# KiCad board Tiling_Flex_V1.kicad_pcb (continued)
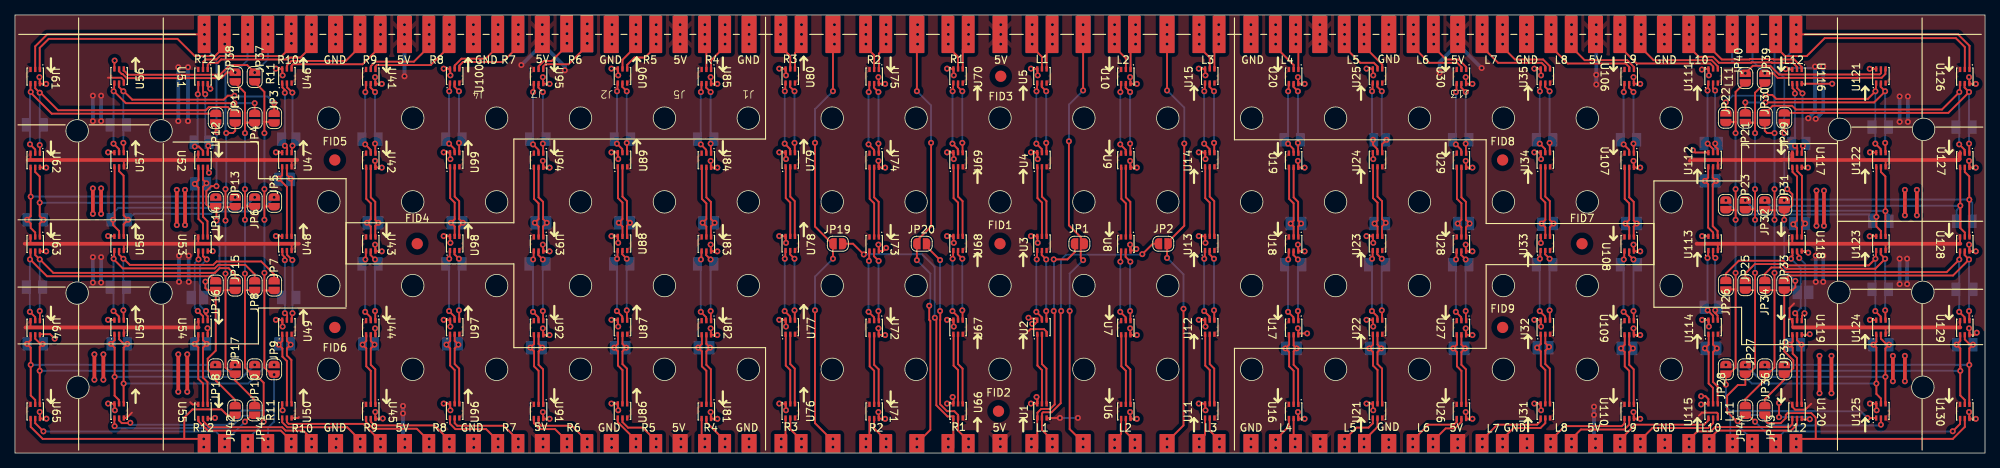
[diagram p0: board, top side]
## Routing (per net, layer and track width the routed paths; a pad name or vN(x,y) marks a point on that pad's centre or on a via; arc(x,y) is an arc through that point) (continued)
  Top w0.25: 237.93,27 237.93,26.66 238.2,26.39 v1(238.2,26.08) ; v1(238.9,18.7) 238.56,18.36 238.56,17.69
  Bottom w0.25: v1(238.9,18.7) 239,18.8 239,25.28 v1(238.2,26.08)
Net-(J127-Pin_1): length 10
  Top w0.25: U55.2 25.1,9.3 24.47,9.93 24.47,14.13 v1(24,14.6) 24.47,15.07 U54.4
Net-(J128-Pin_1): length 10
  Top w0.25: 25.7,6.5 25.7,9.5 25.1,10.1 25.1,14.1 v1(25.6,14.6) 25.1,15.1 U54.5
Net-(J129-Pin_1): length 9.9
  Top w0.25: 237.3,15.8 237.32,15.78 237.32,14.9 v1(236.92,14.5) 237.32,14.1 237.32,13.3 237.9,12.72 U120.2
Net-(J130-Pin_1): length 9.7
  Top w0.25: 237.9,16 237.9,15.1 v1(238.5,14.5) 238.5,6.5
Net-(J131-Pin_1): length 29.3
  Top w0.25: 13.3,15.9 13.3,15.1 v1(12.8,14.6) 13.3,14.1 13.3,7.67 13.86,7.11 13.86,6.62 U60.5
  Bottom w0.25: v1(13.3,10.2) 30.4,10.2 v1(32,11.8)
Net-(J132-Pin_1): length 31.2
  Top w0.25: 14.5,6.8 14.5,14.1 v1(15,14.6) 14.5,14.63 13.9,15.23 U59.2
  Bottom w0.25: v1(14.5,9.3) 31.12,9.3 33.62,11.8 v1(34.6,11.8)
Net-(J133-Pin_1): length 31
  Top w0.25: U125.5 249.1,7.3 248.5,7.9 248.5,14.1 v1(248.1,14.5) 248.5,14.9 248.5,15.9
  Bottom w0.25: v1(228.4,11.8) 229.38,11.8 231.88,9.3 v1(248.5,9.3)
Net-(J134-Pin_1): length 29.7
  Top w0.25: 249.7,10.4 249.7,14 v1(250.2,14.5) 249.9,14.5 249.1,15.3 249.1,15.92 ; 249.7,10.4 249.7,6.6 ; 249.7,10.4 v1(249.7,10.2)
  Bottom w0.25: v1(249.7,10.2) 232.6,10.2 v1(231,11.8)
Net-(J135-Pin_1): length 30.5
  Top w0.25: 13.87,17.8 13.87,18.27 13.15,18.99 v1(13.15,18.99) ; 13.21,25.89 14.4,24.7 26.66,24.7 27.14,25.18 30.74,25.18 32,23.91 32,23 ; 13.17,26.09 13.24,26.16 13.24,27.11
  Bottom w0.25: v1(13.17,25.99) 13.15,25.97 v1(13.15,18.99)
Net-(J136-Pin_1): length 31.8
  Top w0.25: 14.5,26 15.33,25.18 26.47,25.18 26.92,25.62 32.88,25.62 34.6,23.9 34.6,23 ; v1(14.47,19.09) 14.5,19.06 14.5,17.8 ; 13.87,27.11 13.87,26.59 v1(14.47,25.99)
  Bottom w0.25: v1(14.47,25.99) v1(14.47,19.09)
Net-(J137-Pin_1): length 31.8
  Top w0.25: 248.37,26.09 248.44,26.16 248.44,27.11 ; v1(248.35,18.99) 248.35,18.99 249.07,18.27 249.07,17.8 ; v1(248.37,25.99) 247.48,25.1 236.7,25.1 236.07,25.72 230.12,25.72 228.4,24 JP26.1
  Bottom w0.25: v1(248.35,18.99) 248.35,25.97 v1(248.37,25.99)
Net-(J138-Pin_1): length 30.5
  Top w0.25: 249.7,17.8 249.7,19.06 v1(249.67,19.09) ; JP25.1 231,24.01 232.26,25.28 235.86,25.28 236.49,24.65 248.35,24.65 249.67,25.97 v1(249.67,25.99) 249.07,26.59 249.07,27.11
  Bottom w0.25: v1(249.67,25.99) v1(249.67,19.09)
Net-(J139-Pin_1): length 30.4
  Top w0.25: 13.3,38.3 13.3,31.4 v1(13.1,31.2) 13.1,30.5 13.9,29.7 U58.5
  Bottom w0.25: v1(32,34.2) 30.6,32.8 13.8,32.8 13.1,32.1 v1(13.1,31.2)
Net-(J140-Pin_1): length 30.8
  Top w0.25: 14.5,29 14.5,30.6 v1(15.1,31.2) 14.5,31.8 14.5,37.1 13.9,37.7 13.9,38.32
  Bottom w0.25: v1(34.6,34.2) 32.72,32.33 26.5,32.33 26.17,32 15.9,32 v1(15.1,31.2)
Net-(J141-Pin_1): length 30.6
  Top w0.25: 248.5,38.3 248.5,30.3 249.1,29.7 U123.5
  Bottom w0.25: v1(228.4,33.8) 230.27,31.93 248.18,31.93 v1(248.5,31.6)
Net-(J142-Pin_1): length 30.4
  Top w0.25: 249.1,38.32 249.1,37.6 249.7,37 249.7,29
  Bottom w0.25: v1(231,33.8) 232.4,32.4 249.65,32.4 v1(249.7,32.35) ; 249.7,32.3 250.2,31.8 J142.1
Net-(J143-Pin_1): length 30.3
  Top w0.25: 13.15,41.39 13.87,40.67 13.87,40.2 ; 32,45.4 v1(32,46.8) ; 13.17,48.49 13.24,48.56 13.24,49.51 ; 13.3,48.3 14.8,46.8 v1(29.3,46.8)
  Bottom w0.25: v1(13.17,48.39) 13.15,48.37 v1(13.15,41.39) ; v1(32,46.8) v1(29.3,46.8)
Net-(J144-Pin_1): length 32
  Top w0.25: v1(29.3,47.8) 28.4,47.8 27.87,47.27 15.65,47.27 14.63,48.29 ; 13.87,49.51 13.87,48.99 v1(14.47,48.39) ; 34.6,45.4 v1(34.6,46.8) ; 14.5,40.2 14.5,41.46 v1(14.47,41.49)
  Bottom w0.25: v1(34.6,46.8) 33.7,47.7 29.4,47.7 v1(29.3,47.8) ; v1(14.47,48.39) v1(14.47,41.49)
Net-(J145-Pin_1): length 32
  Top w0.25: v1(233.7,47.9) 234.6,47.9 235.13,47.37 247.35,47.37 v1(248.37,48.39) ; JP22.1 v1(228.4,46.9) ; 249.07,40.2 249.07,40.67 248.35,41.39 v1(248.35,41.39) ; 248.44,49.51 248.44,48.56 248.37,48.49
  Bottom w0.25: v1(248.35,41.39) 248.35,48.37 v1(248.37,48.39) ; v1(233.7,47.9) 233.6,47.8 229.3,47.8 v1(228.4,46.9)
Net-(J146-Pin_1): length 30.3
  Top w0.25: 249.7,40.2 249.7,41.46 v1(249.67,41.49) ; v1(233.7,46.9) 248.2,46.9 249.7,48.4 ; v1(249.67,48.39) 249.07,48.99 249.07,49.51 ; JP21.1 v1(231,46.9)
  Bottom w0.25: v1(231,46.9) v1(233.7,46.9) ; v1(249.67,48.39) v1(249.67,41.49)
Net-(J147-Pin_1): length 34.6
  Top w0.25: 2.1,15.8 2.1,15.1 v1(1.6,14.6) 2.1,14.1 2.1,7.7 2.7,7.1 U65.2
  Bottom w0.25: v1(2.1,11.8) v1(26.7,11.8)
Net-(J148-Pin_1): length 36.5
  Top w0.25: 3.3,6.5 v1(3.3,11) 3.3,14.2 v1(3.7,14.6) 3.4,14.6 2.7,15.3 U64.5
  Bottom w0.25: v1(3.3,11) 28.6,11 v1(29.4,11.8)
Net-(J149-Pin_1): length 37
  Top w0.25: 259.7,15.8 259.7,15 v1(259.2,14.5) 259.7,14 259.7,11.6 ; U130.2 260.3,7.1 259.7,7.7 259.7,11.6 ; v1(259.7,11) 259.7,11.6
  Bottom w0.25: v1(233.6,11.8) 234.4,11 v1(259.7,11)
Net-(J150-Pin_1): length 34.8
  Top w0.25: U129.5 260.3,15.2 260.9,14.6 v1(261.4,14.5) 260.9,14 260.9,6.5
  Bottom w0.25: v1(236.3,11.8) v1(260.9,11.8)
Net-(J151-Pin_1): length 35.5
  Top w0.25: U64.2 2.7,18.18 1.98,18.9 v1(1.98,18.9) ; v1(2,25.9) 2.02,25.9 4.27,23.65 26.15,23.65 26.8,23 ; U63.4 2.07,26.07 2,26
  Bottom w0.25: v1(2,25.9) 1.98,25.88 v1(1.98,18.9)
Net-(J152-Pin_1): length 37.7
  Top w0.25: 3.43,25.79 5.12,24.1 26.7,24.1 27.33,24.72 28.53,24.72 29.4,23.85 29.4,23 ; U64.1 3.33,18.97 v1(3.3,19) ; v1(3.3,25.9) 2.7,26.5 U63.5
  Bottom w0.25: v1(3.3,25.9) v1(3.3,19)
Net-(J153-Pin_1): length 37.7
  Top w0.25: 260.27,17.7 260.27,18.17 259.55,18.89 v1(259.55,18.89) ; v1(259.57,25.89) 257.88,24.2 236.3,24.2 235.68,24.82 234.48,24.82 233.6,23.95 JP34.1 ; 259.57,25.99 259.64,26.06 259.64,27.01
  Bottom w0.25: v1(259.57,25.89) 259.55,25.87 v1(259.55,18.89)
Net-(J154-Pin_1): length 35.4
  Top w0.25: JP33.1 236.85,23.75 258.73,23.75 v1(260.87,25.89) 260.27,26.49 260.27,27.01 ; 260.9,17.7 260.9,18.96 v1(260.87,18.99)
  Bottom w0.25: v1(260.87,25.89) v1(260.87,18.99)
Net-(J155-Pin_1): length 34.7
  Top w0.25: U63.2 2.7,29.5 2.1,30.1 2.1,30.7 v1(1.6,31.2) 2.1,31.7 v1(2.1,34.3) 2.1,38.2
  Bottom w0.25: v1(26.8,34.2) 26.7,34.3 v1(2.1,34.3)
Net-(J156-Pin_1): length 36.4
  Top w0.25: U62.5 2.7,37.6 3.3,37 v1(3.3,33.5) 3.3,31.7 v1(3.8,31.2) 3.3,30.7 3.3,28.9
  Bottom w0.25: v1(3.3,33.5) 3.33,33.47 28.67,33.47 v1(29.4,34.2)
Net-(J157-Pin_1): length 41.2
  Top w0.25: v1(259.7,33.1) 259.7,30.1 ; 259.7,30.1 259.7,38.2 ; 259.7,30.1 260.3,29.5 U128.2
  Bottom w0.25: v1(233.6,33.8) 234.32,33.08 259.68,33.08 v1(259.7,33.1) ; J157.1 259.2,32.5 259.7,33
Net-(J158-Pin_1): length 37.7
  Top w0.25: 260.9,33.6 260.9,37 260.3,37.6 U127.5 ; 260.9,33.6 260.9,28.9 ; 260.9,33.6 261.1,33.8
  Bottom w0.25: J158.1 261.3,33.5 v1(260.9,33.9) 236.3,33.9 v1(236.2,33.8)
Net-(J159-Pin_1): length 35.6
  Top w0.25: v1(2,41.3) 2.7,40.6 U62.2 ; 26.8,45.4 4.9,45.4 2.1,48.2 v1(2.1,48.3) 2.07,48.33 U61.4
  Bottom w0.25: v1(2,41.3) 2,48.2 v1(2.1,48.3)
Net-(J160-Pin_1): length 37.1
  Top w0.25: v1(3.3,41.2) 3.3,41 3.33,40.97 U62.1 ; 3.43,48.17 5.75,45.85 25.45,45.85 25.88,46.28 28.42,46.28 29.4,45.3 ; U61.5 2.7,48.8 v1(3.3,48.2)
  Bottom w0.25: v1(3.3,48.2) v1(3.3,41.2)
Net-(J161-Pin_1): length 37.1
  Top w0.25: v1(259.55,41.29) 259.55,41.29 260.27,40.57 260.27,40.1 ; 233.6,45.4 234.65,46.45 237.25,46.45 237.75,45.95 257.25,45.95 259.57,48.27 v1(259.57,48.29) ; 259.64,49.41 259.64,48.46 259.57,48.39
  Bottom w0.25: v1(259.57,48.29) 259.55,48.27 v1(259.55,41.29)
Net-(J162-Pin_1): length 35.4
  Top w0.25: 260.9,40.1 260.9,41.36 v1(260.87,41.39) ; 260.9,48.3 258.1,45.5 JP29.1 ; v1(260.87,48.29) 260.27,48.89 260.27,49.41
  Bottom w0.25: v1(260.87,48.29) v1(260.87,41.39)
Net-(J211-Pin_1): length 9.5
  Top w0.25: 169.97,48.49 170.04,48.56 170.04,49.51 ; v1(169.95,41.39) 169.95,41.39 170.67,40.67 170.67,40.2
  Bottom w0.25: v1(169.97,48.39) 169.95,48.37 v1(169.95,41.39)
Net-(J212-Pin_1): length 9.6
  Top w0.25: v1(171.27,41.49) 171.3,41.46 171.3,40.2 ; v1(171.27,48.39) 170.67,48.99 170.67,49.51
  Bottom w0.25: v1(171.27,48.39) v1(171.27,41.49)
Net-(J213-Pin_1): length 9.5
  Top w0.25: v1(91.55,41.29) 91.55,41.29 92.27,40.57 92.27,40.1 ; 91.64,49.41 91.64,48.46 91.57,48.39
  Bottom w0.25: v1(91.55,41.29) 91.55,48.27 v1(91.57,48.29)
Net-(J214-Pin_1): length 9.6
  Top w0.25: v1(92.87,41.39) 92.9,41.36 92.9,40.1 ; 92.27,49.41 92.27,48.89 v1(92.87,48.29)
  Bottom w0.25: v1(92.87,48.29) v1(92.87,41.39)
Net-(J215-Pin_1): length 9.9
  Top w0.25: 170.1,38.2 170.1,34 170.7,33.4 170.7,31.1 v1(170.3,30.7) 170.7,30.3 U18.2
Net-(J216-Pin_1): length 9.9
  Top w0.25: 171.3,28.9 171.3,30.3 v1(171.7,30.7) 171.3,31.1 171.3,33.6 170.7,34.2 U19.5
Net-(J217-Pin_1): length 10
  Top w0.25: 91.7,38.2 91.7,34 92.3,33.4 92.3,31.3 v1(91.8,30.8) 92.3,30.3 U83.2
Net-(J218-Pin_1): length 10
  Top w0.25: 92.9,28.9 92.9,30.3 v1(93.4,30.8) 92.9,31.3 92.9,33.6 92.3,34.2 U84.5
Net-(J219-Pin_1): length 9.5
  Top w0.25: 170.67,17.7 170.67,18.17 169.95,18.89 v1(169.95,18.89) ; 170.04,27.01 170.04,26.06 169.97,25.99
  Bottom w0.25: v1(169.95,18.89) 169.95,25.87
  vias: v1(169.97,25.89)
Net-(J220-Pin_1): length 9.6
  Top w0.25: v1(171.27,25.89) 170.67,26.49 170.67,27.01 ; v1(171.27,18.99) 171.3,18.96 171.3,17.7
  Bottom w0.25: v1(171.27,25.89) v1(171.27,18.99)
Net-(J221-Pin_1): length 9.5
  Top w0.25: v1(91.55,18.89) 91.55,18.89 92.27,18.17 92.27,17.7 ; 91.64,27.01 91.64,26.06 91.57,25.99
  Bottom w0.25: v1(91.55,18.89) 91.55,25.87
  vias: v1(91.57,25.89)
Net-(J222-Pin_1): length 9.6
  Top w0.25: 92.27,27.01 92.27,26.49 v1(92.87,25.89) ; v1(92.87,18.99) 92.9,18.96 92.9,17.7
  Bottom w0.25: v1(92.87,25.89) v1(92.87,18.99)
Net-(J223-Pin_1): length 10
  Top w0.25: U16.2 170.7,11 170.1,11.6 170.1,13.5 v1(169.6,14) 170.1,14.5 170.1,15.8
Net-(J224-Pin_1): length 9.9
  Top w0.25: U17.5 170.7,14.4 v1(171.1,14) 170.7,13.6 170.7,11.8 171.3,11.2 171.3,6.5
Net-(J225-Pin_1): length 10
  Top w0.25: 91.7,15.8 91.7,14.6 v1(91.2,14.1) 91.7,13.6 91.7,11.6 92.3,11 U81.2
Net-(J226-Pin_1): length 10
  Top w0.25: 92.9,6.5 92.9,11.2 92.3,11.8 92.3,13.6 v1(92.8,14.1) 92.3,14.6 U82.5
Net-(J227-Pin_1): length 10
  Top w0.25: 181.9,6.61 181.9,11.1 181.3,11.7 181.3,13.5 v1(180.8,14) 181.3,14.5 181.3,15.9
Net-(J228-Pin_1): length 10
  Top w0.25: 182.5,6.6 182.5,11.3 181.9,11.9 181.9,13.5 v1(182.4,14) 181.9,14.5 181.9,15.92
Net-(J229-Pin_1): length 10
  Top w0.25: 81.1,6.61 81.1,11.1 80.5,11.7 80.5,13.6 v1(80,14.1) 80.5,14.6 80.5,15.9
Net-(J230-Pin_1): length 10
  Top w0.25: 81.7,6.6 81.7,11.3 81.1,11.9 81.1,13.6 v1(81.6,14.1) 81.1,14.6 81.1,15.92
Net-(J231-Pin_1): length 9.5
  Top w0.25: 181.24,27.11 181.24,26.16 181.17,26.09 ; 181.87,17.8 181.87,18.27 181.15,18.99 v1(181.15,18.99)
  Bottom w0.25: v1(181.15,18.99) 181.15,25.97 v1(181.17,25.99)
Net-(J232-Pin_1): length 9.6
  Top w0.25: 181.87,27.11 181.87,26.59 v1(182.47,25.99) ; v1(182.47,19.09) 182.5,19.06 182.5,17.8
  Bottom w0.25: v1(182.47,25.99) v1(182.47,19.09)
Net-(J233-Pin_1): length 9.5
  Top w0.25: 81.07,17.8 81.07,18.27 80.35,18.99 v1(80.35,18.99) ; 80.44,27.11 80.44,26.16 80.37,26.09
  Bottom w0.25: v1(80.35,18.99) 80.35,25.97
  vias: v1(80.37,25.99)
Net-(J234-Pin_1): length 9.6
  Top w0.25: v1(81.67,19.09) 81.7,19.06 81.7,17.8 ; 81.07,27.11 81.07,26.59 v1(81.67,25.99)
  Bottom w0.25: v1(81.67,25.99) v1(81.67,19.09)
Net-(J235-Pin_1): length 9.9
  Top w0.25: 181.3,38.3 181.3,34.1 181.9,33.5 181.9,31.1 v1(181.5,30.7) 181.9,30.3 181.9,29.01
Net-(J236-Pin_1): length 10
  Top w0.25: 181.9,38.32 181.9,34.3 182.5,33.7 182.5,31.3 v1(183,30.8) 182.5,30.3 182.5,29
Net-(J237-Pin_1): length 10
  Top w0.25: 81.1,29.01 81.1,30.3 v1(80.6,30.8) 81.1,31.3 81.1,33.5 80.5,34.1 80.5,38.3
Net-(J238-Pin_1): length 9.9
  Top w0.25: 81.1,38.32 81.1,34.3 81.7,33.7 81.7,31.2 v1(82.1,30.8) 81.7,30.4 81.7,29
Net-(J239-Pin_1): length 9.3
  Top w0.25: 181.17,48.49 181.24,48.56 181.24,49.51 ; 181.87,40.2 181.87,40.67 181.3,41.24 v1(181.3,41.9)
  Bottom w0.25: v1(181.17,48.39) 181.15,48.37 181.15,42.05
Net-(J240-Pin_1): length 10.1
  Top w0.25: 182.5,40.2 182.5,41.3 v1(183.1,41.9) ; v1(182.47,48.39) 181.87,48.99 181.87,49.51
  Bottom w0.25: v1(183.1,41.9) 182.47,42.53 v1(182.47,48.39)
Net-(J241-Pin_1): length 9.5
  Top w0.25: v1(80.35,41.39) 80.35,41.39 81.07,40.67 81.07,40.2 ; 80.37,48.49 80.44,48.56 80.44,49.51
  Bottom w0.25: v1(80.35,41.39) 80.35,48.37 v1(80.37,48.39)
Net-(J242-Pin_1): length 9.6
  Top w0.25: 81.07,49.51 81.07,48.99 v1(81.67,48.39) ; 81.7,40.2 81.7,41.46 v1(81.67,41.49)
  Bottom w0.25: v1(81.67,48.39) v1(81.67,41.49)
Net-(J243-Pin_1): length 9.5
  Top w0.25: v1(192.35,41.29) 192.35,41.29 193.07,40.57 193.07,40.1 ; 192.44,49.41 192.44,48.46 192.37,48.39
  Bottom w0.25: v1(192.37,48.29) 192.35,48.27 v1(192.35,41.29)
Net-(J244-Pin_1): length 9.6
  Top w0.25: 193.7,40.1 193.7,41.36 v1(193.67,41.39) ; v1(193.67,48.29) 193.07,48.89 193.07,49.41
  Bottom w0.25: v1(193.67,48.29) v1(193.67,41.39)
Net-(J245-Pin_1): length 9.5
  Top w0.25: v1(69.15,41.29) 69.15,41.29 69.87,40.57 69.87,40.1 ; 69.17,48.39 69.24,48.46 69.24,49.41
  Bottom w0.25: v1(69.17,48.29) 69.15,48.27 v1(69.15,41.29)
Net-(J246-Pin_1): length 9.6
  Top w0.25: v1(70.47,48.29) 69.87,48.89 69.87,49.41 ; v1(70.47,41.39) 70.5,41.36 70.5,40.1
  Bottom w0.25: v1(70.47,48.29) v1(70.47,41.39)
Net-(J247-Pin_1): length 10
  Top w0.25: 192.5,38.2 192.5,34 193.1,33.4 193.1,31.2 v1(192.6,30.7) 193.1,30.2 U28.2
Net-(J248-Pin_1): length 10
  Top w0.25: 193.7,28.9 193.7,30.2 v1(194.2,30.7) 193.7,31.2 193.7,33.6 193.1,34.2 U29.5
Net-(J249-Pin_1): length 10
  Top w0.25: U93.2 69.9,30.3 v1(69.4,30.8) 69.9,31.3 69.9,33.4 69.3,34 69.3,38.2
Net-(J250-Pin_1): length 10
  Top w0.25: 70.5,28.9 70.5,30.3 v1(71,30.8) 70.5,31.3 70.5,33.6 69.9,34.2 U94.5
Net-(J251-Pin_1): length 9.5
  Top w0.25: 192.44,27.01 192.44,26.06 192.37,25.99 ; 193.07,17.7 193.07,18.17 192.35,18.89 v1(192.35,18.89)
  Bottom w0.25: v1(192.35,18.89) 192.35,25.87
  vias: v1(192.37,25.89)
Net-(J252-Pin_1): length 9.6
  Top w0.25: v1(193.67,18.99) 193.7,18.96 193.7,17.7 ; v1(193.67,25.89) 193.07,26.49 193.07,27.01
  Bottom w0.25: v1(193.67,25.89) v1(193.67,18.99)
Net-(J253-Pin_1): length 9.5
  Top w0.25: 69.17,25.99 69.24,26.06 69.24,27.01 ; 69.87,17.7 69.87,18.17 69.15,18.89 v1(69.15,18.89)
  Bottom w0.25: v1(69.15,18.89) 69.15,25.87 v1(69.17,25.89)
Net-(J254-Pin_1): length 9.6
  Top w0.25: v1(70.47,25.89) 69.87,26.49 69.87,27.01 ; v1(70.47,18.99) 70.5,18.96 70.5,17.7
  Bottom w0.25: v1(70.47,25.89) v1(70.47,18.99)
Net-(J255-Pin_1): length 10
  Top w0.25: U26.2 193.1,11 192.5,11.6 192.5,13.5 v1(192,14) 192.5,14.5 192.5,15.8
Net-(J256-Pin_1): length 10
  Top w0.25: U27.5 193.1,14.5 v1(193.6,14) 193.1,13.5 193.1,11.8 193.7,11.2 193.7,6.5
Net-(J257-Pin_1): length 10
  Top w0.25: U91.2 69.9,11 69.3,11.6 69.3,13.6 v1(68.8,14.1) 69.3,14.6 69.3,15.8
Net-(J258-Pin_1): length 10
  Top w0.25: 70.5,6.5 70.5,11.2 69.9,11.8 69.9,13.6 v1(70.4,14.1) 69.9,14.6 U92.5
Net-(J259-Pin_1): length 10
  Top w0.25: 204.3,6.61 204.3,11.1 203.7,11.7 203.7,13.6 v1(203.2,14.1) 203.7,14.6 203.7,15.9
Net-(J260-Pin_1): length 10
  Top w0.25: 204.9,6.6 204.9,11.3 204.3,11.9 204.3,13.7 v1(204.8,14.2) 204.3,14.7 204.3,15.92
Net-(J261-Pin_1): length 10
  Top w0.25: 58.7,6.61 58.7,11.1 58.1,11.7 58.1,14 v1(57.6,14.5) 58.1,15 58.1,15.9
Net-(J262-Pin_1): length 10
  Top w0.25: 59.3,6.6 59.3,11.3 58.7,11.9 58.7,14 v1(59.2,14.5) 58.7,15 58.7,15.92
Net-(J263-Pin_1): length 9.5
  Top w0.25: 203.57,26.09 203.64,26.16 203.64,27.11 ; v1(203.55,18.99) 203.55,18.99 204.27,18.27 204.27,17.8
  Bottom w0.25: v1(203.55,18.99) 203.55,25.97 v1(203.57,25.99)
Net-(J264-Pin_1): length 9.6
  Top w0.25: v1(204.87,19.09) 204.9,19.06 204.9,17.8 ; 204.27,27.11 204.27,26.59 v1(204.87,25.99)
  Bottom w0.25: v1(204.87,25.99) v1(204.87,19.09)
Net-(J265-Pin_1): length 9.5
  Top w0.25: 57.97,26.09 58.04,26.16 58.04,27.11 ; v1(57.95,18.99) 57.95,18.99 58.67,18.27 58.67,17.8
  Bottom w0.25: v1(57.95,18.99) 57.95,25.97
  vias: v1(57.97,25.99)
Net-(J266-Pin_1): length 9.6
  Top w0.25: 58.67,27.11 58.67,26.59 v1(59.27,25.99) ; v1(59.27,19.09) 59.3,19.06 59.3,17.8
  Bottom w0.25: v1(59.27,25.99) v1(59.27,19.09)
Net-(J267-Pin_1): length 10
  Top w0.25: 204.3,29.01 204.3,30.2 v1(203.8,30.7) 204.3,31.2 204.3,33.5 203.7,34.1 203.7,38.3
Net-(J268-Pin_1): length 10
  Top w0.25: 204.9,29 204.9,30.2 v1(205.4,30.7) 204.9,31.2 204.9,33.7 204.3,34.3 204.3,38.32
Net-(J269-Pin_1): length 10
  Top w0.25: 58.1,38.3 58.1,34.1 58.7,33.5 58.7,31.3 v1(58.2,30.8) 58.7,30.3 58.7,29.01
Net-(J270-Pin_1): length 10
  Top w0.25: 59.3,29 59.3,30.3 v1(59.8,30.8) 59.3,31.3 59.3,33.7 58.7,34.3 58.7,38.32
Net-(J271-Pin_1): length 9.5
  Top w0.25: v1(203.55,41.39) 203.55,41.39 204.27,40.67 204.27,40.2 ; 203.57,48.49 203.64,48.56 203.64,49.51
  Bottom w0.25: v1(203.57,48.39) 203.55,48.37 v1(203.55,41.39)
Net-(J272-Pin_1): length 9.6
  Top w0.25: v1(204.87,41.49) 204.9,41.46 204.9,40.2 ; v1(204.87,48.39) 204.27,48.99 204.27,49.51
  Bottom w0.25: v1(204.87,48.39) v1(204.87,41.49)
Net-(J273-Pin_1): length 9.5
  Top w0.25: 58.67,40.2 58.67,40.67 57.95,41.39 v1(57.95,41.39) ; 58.04,49.51 58.04,48.56 57.97,48.49
  Bottom w0.25: v1(57.97,48.39) 57.95,48.37 v1(57.95,41.39)
Net-(J274-Pin_1): length 9.6
  Top w0.25: 59.3,40.2 59.3,41.46 v1(59.27,41.49) ; 58.67,49.51 58.67,48.99 v1(59.27,48.39)
  Bottom w0.25: v1(59.27,48.39) v1(59.27,41.49)
Net-(U1-BO): length 9.5
  Top w0.25: 136.5,15.9 136.5,11.7 137.1,11.1 137.1,6.61
Net-(U1-DO): length 9.6
  Top w0.25: 137.7,6.6 137.7,11.3 137.1,11.9 137.1,15.92
Net-(U2-BO): length 9.6
  Top w0.25: 136.35,18.89 137.07,18.17 137.07,17.7 ; 136.37,25.99 136.44,26.06 136.44,27.01
  Bottom w0.25: v1(136.4,25.9) 136.35,25.85 v1(136.35,18.89)
Net-(U2-DO): length 9.6
  Top w0.25: v1(137.67,18.99) 137.7,18.96 137.7,17.7 ; 137.07,27.01 137.07,26.49 v1(137.67,25.89)
  Bottom w0.25: v1(137.67,25.89) v1(137.67,18.99)
Net-(U3-BO): length 9.5
  Top w0.25: 137.1,29.01 137.1,33.5 136.5,34.1 136.5,38.3
Net-(U3-DO): length 9.6
  Top w0.25: 137.1,38.32 137.1,34.3 137.7,33.7 137.7,29
Net-(U4-BO): length 9.5
  Top w0.25: v1(136.35,41.39) 136.35,41.39 137.07,40.67 137.07,40.2 ; 136.44,49.51 136.44,48.56 136.37,48.49
  Bottom w0.25: v1(136.35,41.39) 136.35,48.37 v1(136.37,48.39)
Net-(U4-DO): length 9.6
  Top w0.25: v1(137.67,41.49) 137.7,41.46 137.7,40.2 ; 137.07,49.51 137.07,48.99 v1(137.67,48.39)
  Bottom w0.25: v1(137.67,48.39) v1(137.67,41.49)
Net-(U6-BI): length 9.6
  Top w0.25: 148.9,6.5 148.9,11.2 148.3,11.8 U7.5
Net-(U6-DI): length 9.5
  Top w0.25: U6.2 148.3,11 147.7,11.6 147.7,15.8
Net-(U7-BI): length 9.6
  Top w0.25: 148.9,17.7 148.9,18.96 v1(148.87,18.99) ; 148.27,27.01 148.27,26.23 v1(148.9,25.6)
  Bottom w0.25: v1(148.87,18.99) 148.87,25.57 v1(148.9,25.6)
Net-(U7-DI): length 9.6
  Top w0.25: v1(147.57,25.6) 147.64,25.67 147.64,27.01 ; 148.27,17.7 148.27,18.17 147.55,18.89 v1(147.55,18.89)
  Bottom w0.25: v1(147.55,18.89) 147.55,25.58 v1(147.57,25.6)
Net-(U8-BI): length 9.6
  Top w0.25: U9.5 148.3,34.2 148.9,33.6 148.9,28.9
Net-(U8-DI): length 9.5
  Top w0.25: U8.2 148.3,33.4 147.7,34 147.7,38.2
Net-(U10-BO): length 9.6
  Top w0.25: 148.9,40.1 148.9,41.36 v1(148.87,41.39) ; v1(148.87,48.29) 148.27,48.89 148.27,49.41
  Bottom w0.25: v1(148.87,48.29) v1(148.87,41.39)
Net-(U10-DO): length 9.5
  Top w0.25: v1(147.55,41.29) 147.55,41.29 148.27,40.57 148.27,40.1 ; 147.57,48.39 147.64,48.46 147.64,49.41
  Bottom w0.25: v1(147.57,48.29) 147.55,48.27 v1(147.55,41.29)
Net-(U11-BO): length 9.5
  Top w0.25: 159.5,6.61 159.5,11.1 158.9,11.7 158.9,15.9
Net-(U11-DO): length 9.6
  Top w0.25: 160.1,6.6 160.1,11.3 159.5,11.9 159.5,15.92
Net-(U12-BO): length 9.5
  Top w0.25: 159.47,17.8 159.47,18.27 158.75,18.99 v1(158.75,18.99) ; 158.84,27.11 158.84,26.16 158.77,26.09
  Bottom w0.25: v1(158.77,25.99) 158.75,25.97 v1(158.75,18.99)
Net-(U12-DO): length 9.6
  Top w0.25: 159.47,27.11 159.47,26.59 v1(160.07,25.99) ; v1(160.07,19.09) 160.1,19.06 160.1,17.8
  Bottom w0.25: v1(160.07,25.99) v1(160.07,19.09)
Net-(U13-BO): length 9.5
  Top w0.25: 158.9,38.3 158.9,34.1 159.5,33.5 159.5,29.01
Net-(U13-DO): length 9.6
  Top w0.25: 160.1,29 160.1,33.7 159.5,34.3 159.5,38.32
Net-(U14-BO): length 9.5
  Top w0.25: 158.84,49.51 158.84,48.56 158.77,48.49 ; v1(158.75,41.39) 158.75,41.39 159.47,40.67 159.47,40.2
  Bottom w0.25: v1(158.75,41.39) 158.75,48.37 v1(158.77,48.39)
Net-(U14-DO): length 9.6
  Top w0.25: 159.47,49.51 159.47,48.99 v1(160.07,48.39) ; v1(160.07,41.49) 160.1,41.46 160.1,40.2
  Bottom w0.25: v1(160.07,48.39) v1(160.07,41.49)
Net-(U66-BO): length 9.5
  Top w0.25: 125.9,6.61 125.9,11.1 125.3,11.7 125.3,15.9
Net-(U66-DO): length 9.6
  Top w0.25: 125.9,15.92 125.9,11.9 126.5,11.3 126.5,6.6
Net-(U67-BO): length 9.5
  Top w0.25: 125.17,26.09 125.24,26.16 125.24,27.11 ; 125.87,17.8 125.87,18.27 125.15,18.99 v1(125.15,18.99)
  Bottom w0.25: v1(125.15,18.99) 125.15,25.97 v1(125.17,25.99)
Net-(U67-DO): length 9.6
  Top w0.25: 125.87,27.11 125.87,26.59 v1(126.47,25.99) ; v1(126.47,19.09) 126.5,19.06 126.5,17.8
  Bottom w0.25: v1(126.47,25.99) v1(126.47,19.09)
Net-(U68-BO): length 9.5
  Top w0.25: 125.3,38.3 125.3,34.1 125.9,33.5 125.9,29.01
Net-(U68-DO): length 9.6
  Top w0.25: 125.9,38.32 125.9,34.3 126.5,33.7 126.5,29
Net-(U69-BO): length 9.5
  Top w0.25: 125.24,49.51 125.24,48.56 125.17,48.49 ; 125.87,40.2 125.87,40.67 125.15,41.39 v1(125.15,41.39)
  Bottom w0.25: v1(125.15,41.39) 125.15,48.37 v1(125.17,48.39)
Net-(U69-DO): length 9.6
  Top w0.25: v1(126.47,48.39) 125.87,48.99 125.87,49.51 ; 126.5,40.2 126.5,41.46 v1(126.47,41.49)
  Bottom w0.25: v1(126.47,48.39) v1(126.47,41.49)
Net-(U71-BI): length 9.6
  Top w0.25: 115.3,6.5 115.3,11.2 114.7,11.8 U72.5
Net-(U71-DI): length 9.5
  Top w0.25: U71.2 114.7,11 114.1,11.6 114.1,15.8
Net-(U72-BI): length 9.6
  Top w0.25: v1(115.27,18.99) 115.3,18.96 115.3,17.7 ; v1(115.3,25.7) 114.67,26.33 114.67,27.01
  Bottom w0.25: v1(115.27,18.99) 115.27,25.67 v1(115.3,25.7)
Net-(U72-DI): length 9.4
  Top w0.25: 114.67,17.7 114.67,18.17 113.95,18.89 v1(113.95,18.89) ; 114.04,27.01 114.04,26.06 113.97,25.99
  Bottom w0.25: v1(114,25.7) 113.95,25.65 v1(113.95,18.89)
Net-(U73-BI): length 9.6
  Top w0.25: U74.5 114.7,34.2 115.3,33.6 115.3,28.9
Net-(U73-DI): length 9.5
  Top w0.25: U73.2 114.7,33.4 114.1,34 114.1,38.2
Net-(U74-BI): length 9.6
  Top w0.25: v1(115.27,48.29) 114.67,48.89 114.67,49.41 ; 115.3,40.1 115.3,41.36 v1(115.27,41.39)
  Bottom w0.25: v1(115.27,48.29) v1(115.27,41.39)
Net-(U74-DI): length 9.5
  Top w0.25: 114.04,49.41 114.04,48.46 113.97,48.39 ; 114.67,40.1 114.67,40.57 113.95,41.29 v1(113.95,41.29)
  Bottom w0.25: v1(113.97,48.29) 113.95,48.27 v1(113.95,41.29)
Net-(U76-BO): length 9.5
  Top w0.25: 103.5,6.61 103.5,11.1 102.9,11.7 102.9,15.9
Net-(U76-DO): length 9.6
  Top w0.25: 104.1,6.6 104.1,11.3 103.5,11.9 103.5,15.92
Net-(U77-BO): length 9.5
  Top w0.25: 102.77,26.09 102.84,26.16 102.84,27.11 ; 103.47,17.8 103.47,18.27 102.75,18.99 v1(102.75,18.99)
  Bottom w0.25: v1(102.75,18.99) 102.75,25.97 v1(102.77,25.99)
Net-(U77-DO): length 9.6
  Top w0.25: v1(104.07,19.09) 104.1,19.06 104.1,17.8 ; v1(104.07,25.99) 103.47,26.59 103.47,27.11
  Bottom w0.25: v1(104.07,25.99) v1(104.07,19.09)
Net-(U78-BO): length 9.5
  Top w0.25: 103.5,29.01 103.5,33.5 102.9,34.1 102.9,38.3
Net-(U78-DO): length 9.6
  Top w0.25: 103.5,38.32 103.5,34.3 104.1,33.7 104.1,29
Net-(U79-BO): length 9.5
  Top w0.25: 103.47,40.2 103.47,40.67 102.75,41.39 v1(102.75,41.39) ; 102.84,49.51 102.84,48.56 102.77,48.49
  Bottom w0.25: v1(102.77,48.39) 102.75,48.37 v1(102.75,41.39)
Net-(U79-DO): length 9.6
  Top w0.25: v1(104.07,48.39) 103.47,48.99 103.47,49.51 ; 104.1,40.2 104.1,41.46 v1(104.07,41.49)
  Bottom w0.25: v1(104.07,48.39) v1(104.07,41.49)

## Copper pours and planes (outline as drawn; the poured copper is in the pictures)
+5V on Top: 0,58.6 263,58.6 263,-2.6 0,-2.6
GND on Bottom: 0,58.6 263,58.6 263,-2.6 0,-2.6

## Text on the board
B.Silkscreen: R12 | R11 | R10 | GND | R9 | 5V | R8 | R7 | R6 | R5 | R4 | R3 | R2 | R1 | L1 | L2 | L3 | L4 | L5 | L6 | L7 | L8 | L9 | L10 | L11 | L12
F.Silkscreen: R12 | R10 | GND | R9 | 5V | R8 | R7 | R6 | R5 | R4 | R3 | R2 | R1 | L1 | L2 | L3 | L4 | L5 | L6 | L7 | L8 | L9 | L10 | L12 | R11 | L11
